# KiCad board panel.kicad_pcb (continued)
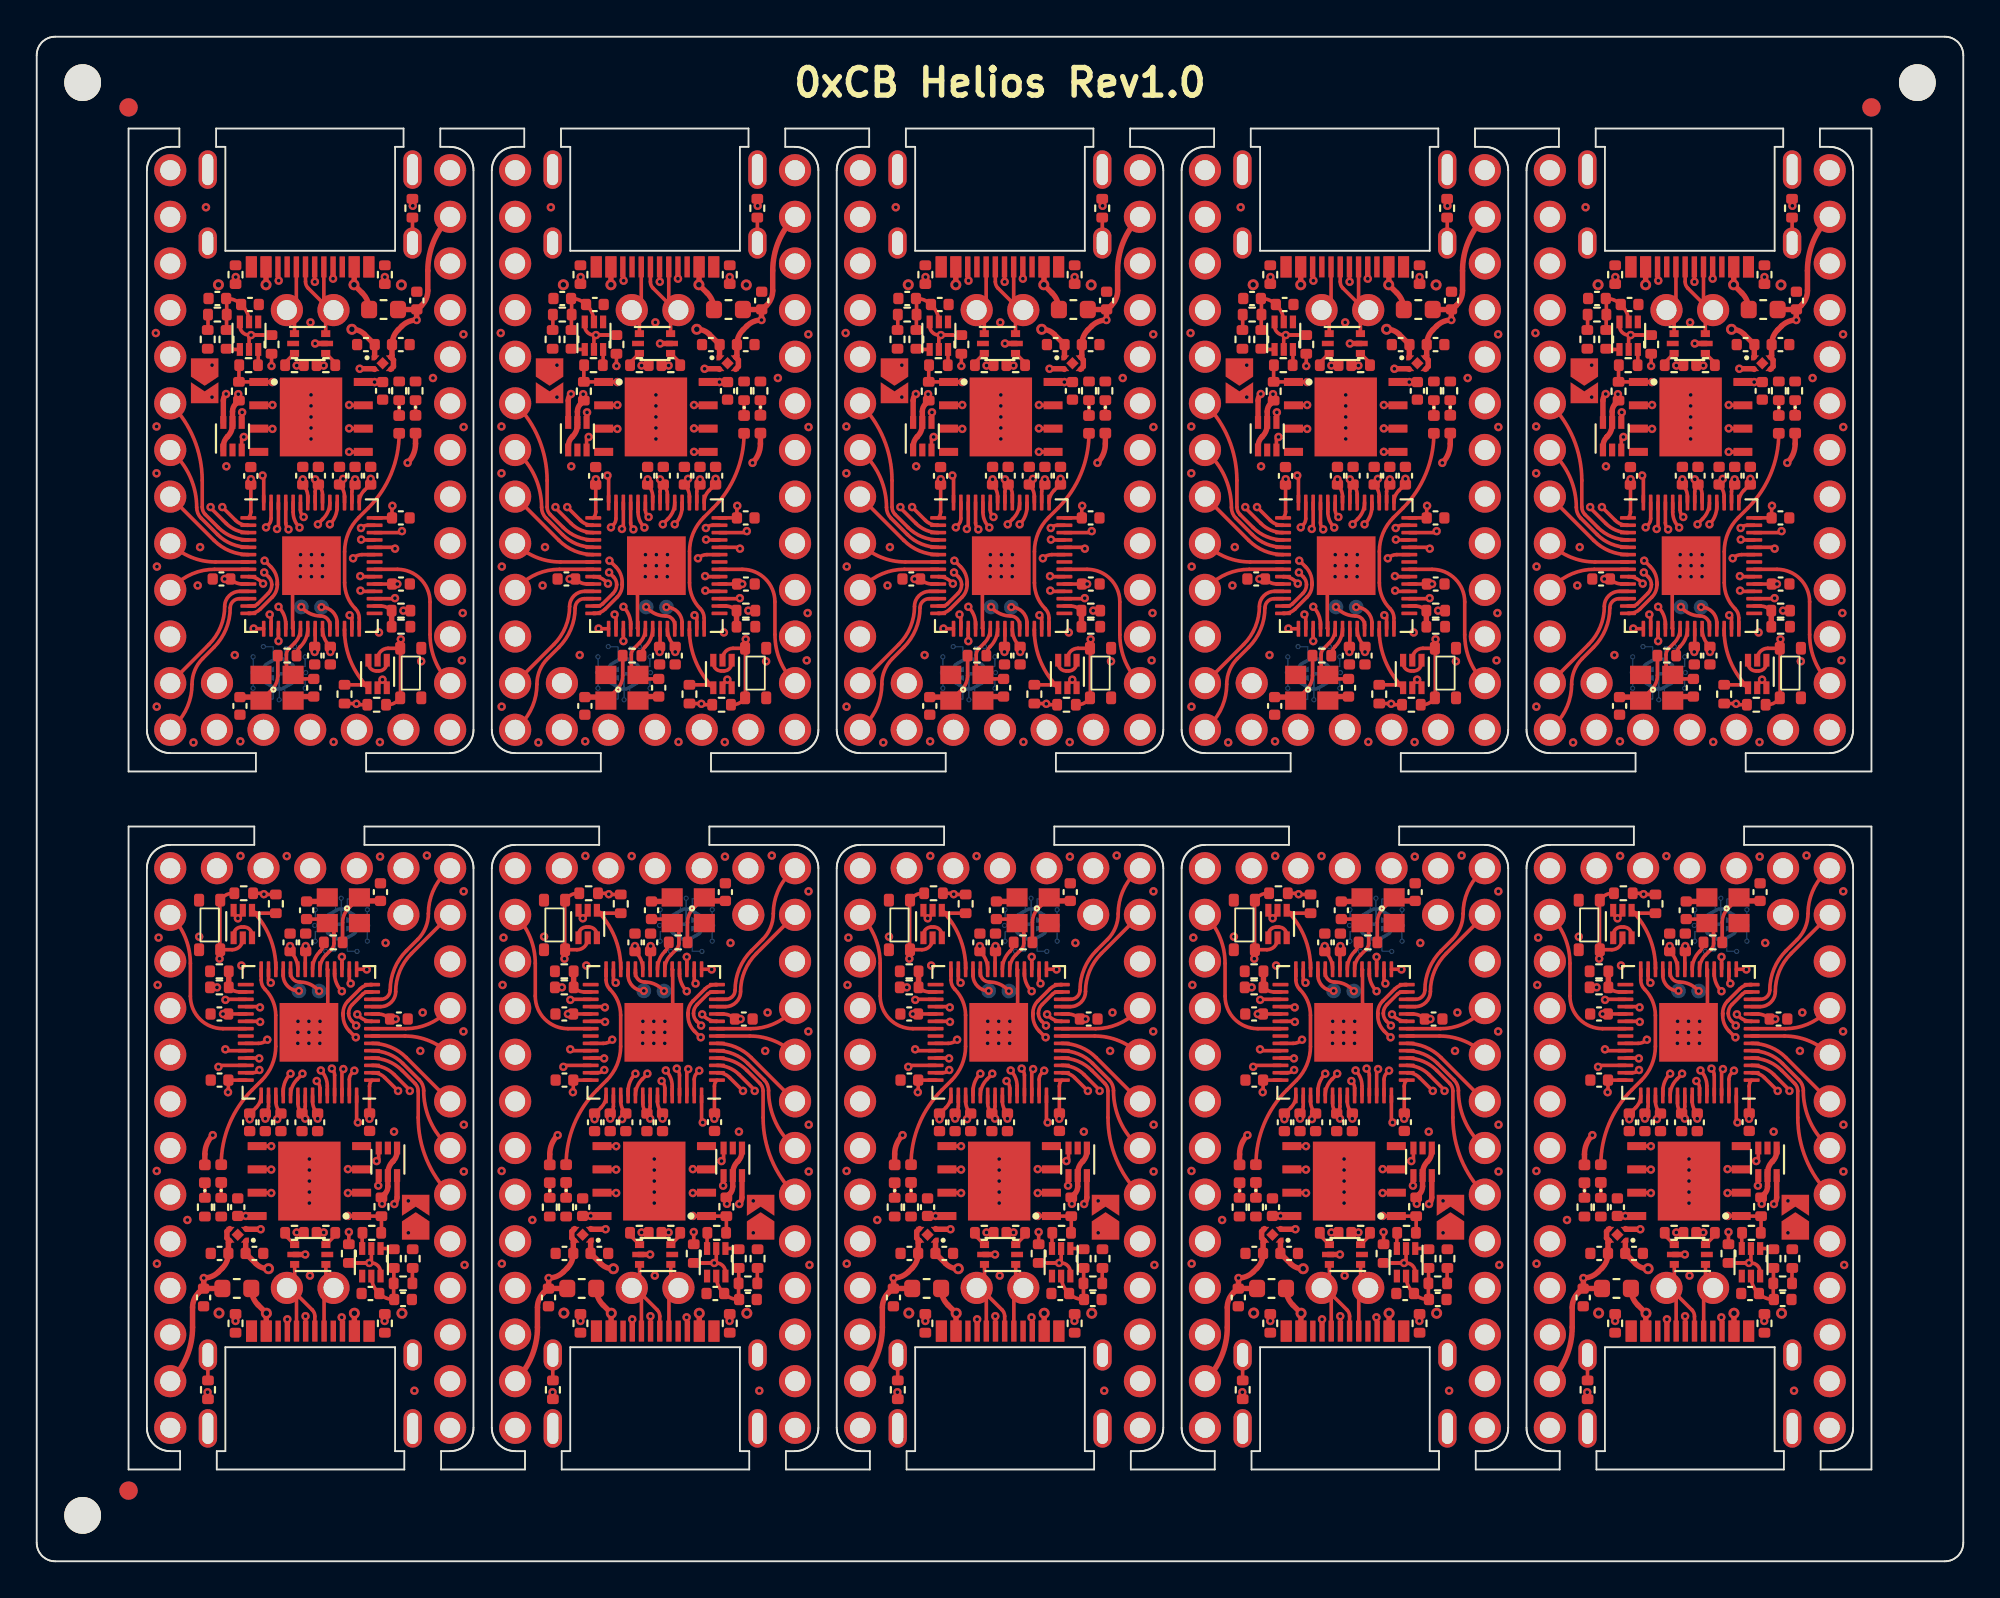
[diagram p0: board, top side]
## Placement (name value [footprint] x y rotation side) (continued)
R7#7  5k1  [R_0402_1005Metric]  67.17 12.96 90 top
R7#8  5k1  [R_0402_1005Metric]  37.73 70.08 270 top
R7#9  5k1  [R_0402_1005Metric]  56.52 70.08 270 top
R7#10  5k1  [R_0402_1005Metric]  85.94 12.96 90 top
R8  5k1  [R_0402_1005Metric]  75.3 12.96 90 top
R8#2  5k1  [R_0402_1005Metric]  94.08 12.96 90 top
R8#3  5k1  [R_0402_1005Metric]  56.52 12.96 90 top
R8#4  5k1  [R_0402_1005Metric]  85.94 70.08 270 top
R8#5  5k1  [R_0402_1005Metric]  37.73 12.96 90 top
R8#6  5k1  [R_0402_1005Metric]  10.82 70.08 270 top
R8#7  5k1  [R_0402_1005Metric]  48.38 70.08 270 top
R8#8  5k1  [R_0402_1005Metric]  18.95 12.96 90 top
R8#9  5k1  [R_0402_1005Metric]  29.6 70.08 270 top
R8#10  5k1  [R_0402_1005Metric]  67.17 70.08 270 top
R9  1K  [R_0402_1005Metric]  30.31 65.15 0 top
R9#2  1K  [R_0402_1005Metric]  18.24 17.89 180 top
R9#3  1K  [R_0402_1005Metric]  93.36 17.89 180 top
R9#4  1K  [R_0402_1005Metric]  37.02 17.89 180 top
R9#5  1K  [R_0402_1005Metric]  49.09 65.15 0 top
R9#6  1K  [R_0402_1005Metric]  11.54 65.15 0 top
R9#7  1K  [R_0402_1005Metric]  86.66 65.15 0 top
R9#8  1K  [R_0402_1005Metric]  74.58 17.89 180 top
R9#9  1K  [R_0402_1005Metric]  55.81 17.89 180 top
R9#10  1K  [R_0402_1005Metric]  67.88 65.15 0 top
R10  1k  [R_0402_1005Metric]  95.75 63.75 90 top
R10#2  1k  [R_0402_1005Metric]  46.72 19.29 270 top
R10#3  1k  [R_0402_1005Metric]  39.41 63.75 90 top
R10#4  1k  [R_0402_1005Metric]  58.19 63.75 90 top
R10#5  1k  [R_0402_1005Metric]  84.28 19.29 270 top
R10#6  1k  [R_0402_1005Metric]  9.16 19.29 270 top
R10#7  1k  [R_0402_1005Metric]  27.94 19.29 270 top
R10#8  1k  [R_0402_1005Metric]  76.97 63.75 90 top
R10#9  1k  [R_0402_1005Metric]  65.5 19.29 270 top
R10#10  1k  [R_0402_1005Metric]  20.62 63.75 90 top
R11  10k  [R_0402_1005Metric]  93.89 19.31 270 top
R11#2  10k  [R_0402_1005Metric]  11.01 63.73 90 top
R11#3  10k  [R_0402_1005Metric]  18.77 19.31 270 top
R11#4  10k  [R_0402_1005Metric]  75.11 19.31 270 top
R11#5  10k  [R_0402_1005Metric]  29.79 63.73 90 top
R11#6  10k  [R_0402_1005Metric]  56.33 19.31 270 top
R11#7  10k  [R_0402_1005Metric]  86.13 63.73 90 top
R11#8  10k  [R_0402_1005Metric]  48.57 63.73 90 top
R11#9  10k  [R_0402_1005Metric]  37.55 19.31 270 top
R11#10  10k  [R_0402_1005Metric]  67.35 63.73 90 top
R12  27R  [R_0402_1005Metric]  32.81 65.15 0 top
R12#2  27R  [R_0402_1005Metric]  34.52 17.89 180 top
R12#3  27R  [R_0402_1005Metric]  53.31 17.89 180 top
R12#4  27R  [R_0402_1005Metric]  89.16 65.15 0 top
R12#5  27R  [R_0402_1005Metric]  51.59 65.15 0 top
R12#6  27R  [R_0402_1005Metric]  14.04 65.15 0 top
R12#7  27R  [R_0402_1005Metric]  90.86 17.89 180 top
R12#8  27R  [R_0402_1005Metric]  70.38 65.15 0 top
R12#9  27R  [R_0402_1005Metric]  15.75 17.89 180 top
R12#10  27R  [R_0402_1005Metric]  72.08 17.89 180 top
R13  27R  [R_0402_1005Metric]  90.86 65.15 180 top
R13#2  27R  [R_0402_1005Metric]  89.16 17.89 0 top
R13#3  27R  [R_0402_1005Metric]  53.31 65.15 180 top
R13#4  27R  [R_0402_1005Metric]  70.38 17.89 0 top
R13#5  27R  [R_0402_1005Metric]  72.08 65.15 180 top
R13#6  27R  [R_0402_1005Metric]  32.81 17.89 0 top
R13#7  27R  [R_0402_1005Metric]  51.59 17.89 0 top
R13#8  27R  [R_0402_1005Metric]  15.75 65.15 180 top
R13#9  27R  [R_0402_1005Metric]  14.04 17.89 0 top
R13#10  27R  [R_0402_1005Metric]  34.52 65.15 180 top
R14  1k  [R_0402_1005Metric]  34.92 33.71 180 top
R14#2  1k  [R_0402_1005Metric]  16.14 33.71 180 top
R14#3  1k  [R_0402_1005Metric]  51.19 49.33 0 top
R14#4  1k  [R_0402_1005Metric]  72.48 33.71 180 top
R14#5  1k  [R_0402_1005Metric]  53.7 33.71 180 top
R14#6  1k  [R_0402_1005Metric]  13.64 49.33 0 top
R14#7  1k  [R_0402_1005Metric]  88.75 49.33 0 top
R14#8  1k  [R_0402_1005Metric]  69.97 49.33 0 top
R14#9  1k  [R_0402_1005Metric]  91.27 33.71 180 top
R14#10  1k  [R_0402_1005Metric]  32.41 49.33 0 top
R15  1k  [R_0402_1005Metric]  28.83 19.29 270 top
R15#2  1k  [R_0402_1005Metric]  66.39 19.29 270 top
R15#3  1k  [R_0402_1005Metric]  85.17 19.29 270 top
R15#4  1k  [R_0402_1005Metric]  47.6 19.29 270 top
R15#5  1k  [R_0402_1005Metric]  38.52 63.75 90 top
R15#6  1k  [R_0402_1005Metric]  94.86 63.75 90 top
R15#7  1k  [R_0402_1005Metric]  10.05 19.29 270 top
R15#8  1k  [R_0402_1005Metric]  76.08 63.75 90 top
R15#9  1k  [R_0402_1005Metric]  57.3 63.75 90 top
R15#10  1k  [R_0402_1005Metric]  19.73 63.75 90 top
R16  5k1  [R_0402_1005Metric]  66.28 31.26 0 top
R16#2  5k1  [R_0402_1005Metric]  38.62 51.78 180 top
R16#3  5k1  [R_0402_1005Metric]  9.95 31.26 0 top
R16#4  5k1  [R_0402_1005Metric]  94.95 51.78 180 top
R16#5  5k1  [R_0402_1005Metric]  76.17 51.78 180 top
R16#6  5k1  [R_0402_1005Metric]  47.51 31.26 0 top
R16#7  5k1  [R_0402_1005Metric]  28.73 31.26 0 top
R16#8  5k1  [R_0402_1005Metric]  19.84 51.78 180 top
R16#9  5k1  [R_0402_1005Metric]  57.39 51.78 180 top
R16#10  5k1  [R_0402_1005Metric]  85.06 31.26 0 top
R17  10k  [R_0402_1005Metric]  47.51 32.14 180 top
R17#2  10k  [R_0402_1005Metric]  9.95 32.14 180 top
R17#3  10k  [R_0402_1005Metric]  19.84 50.91 0 top
R17#4  10k  [R_0402_1005Metric]  85.06 32.14 180 top
R17#5  10k  [R_0402_1005Metric]  57.39 50.91 0 top
R17#6  10k  [R_0402_1005Metric]  28.73 32.14 180 top
R17#7  10k  [R_0402_1005Metric]  94.95 50.91 0 top
R17#8  10k  [R_0402_1005Metric]  76.17 50.91 0 top
R17#9  10k  [R_0402_1005Metric]  66.28 32.14 180 top
R17#10  10k  [R_0402_1005Metric]  38.62 50.91 0 top
REF**  -  [Fiducial]  5 79.19 0 top
REF**#2  -  [NPTH]  102.4 80.54 0 top
REF**#3  -  [NPTH]  2.5 80.54 0 top
REF**#4  -  [Fiducial]  5 3.85 0 top
REF**#5  -  [Fiducial]  99.9 79.19 0 top
REF**#6  -  [NPTH]  2.5 2.5 0 top
REF**#7  -  [LOGO]  89.91 49.96 180 bottom
REF**#8  -  [LOGO]  52.34 49.96 180 bottom
REF**#9  -  [LOGO]  52.56 33.08 0 bottom
REF**#10  -  [Fiducial]  5 79.19 0 bottom
REF**#11  -  [LOGO]  15 33.08 0 bottom
REF**#12  -  [LOGO]  33.56 49.96 180 bottom
REF**#13  -  [LOGO]  33.77 33.08 0 bottom
REF**#14  -  [LOGO]  71.12 49.96 180 bottom
REF**#15  -  [Fiducial]  5 3.85 0 bottom
REF**#16  -  [LOGO]  90.11 33.08 0 bottom
REF**#17  -  [LOGO]  14.79 49.96 180 bottom
REF**#18  -  [LOGO]  71.33 33.08 0 bottom
REF**#19  -  [Fiducial]  99.9 79.19 0 bottom
SW1  SWITCH  [1.9x2.8mm SW]  76.7 48.38 270 top
SW1#2  SWITCH  [1.9x2.8mm SW]  20.37 48.38 270 top
SW1#3  SWITCH  [1.9x2.8mm SW]  28.2 34.66 90 top
SW1#4  SWITCH  [1.9x2.8mm SW]  95.48 48.38 270 top
SW1#5  SWITCH  [1.9x2.8mm SW]  46.98 34.66 90 top
SW1#6  SWITCH  [1.9x2.8mm SW]  57.92 48.38 270 top
SW1#7  SWITCH  [1.9x2.8mm SW]  39.15 48.38 270 top
SW1#8  SWITCH  [1.9x2.8mm SW]  9.41 34.66 90 top
SW1#9  SWITCH  [1.9x2.8mm SW]  84.53 34.66 90 top
SW1#10  SWITCH  [1.9x2.8mm SW]  65.75 34.66 90 top
TP1  CLK  [TestPoint_Pad_D0.8mm]  33.19 51.98 180 bottom
TP1#2  CLK  [TestPoint_Pad_D0.8mm]  15.38 31.06 0 bottom
TP1#3  CLK  [TestPoint_Pad_D0.8mm]  51.97 51.98 180 bottom
TP1#4  CLK  [TestPoint_Pad_D0.8mm]  71.72 31.06 0 bottom
TP1#5  CLK  [TestPoint_Pad_D0.8mm]  89.53 51.98 180 bottom
TP1#6  CLK  [TestPoint_Pad_D0.8mm]  90.5 31.06 0 bottom
TP1#7  CLK  [TestPoint_Pad_D0.8mm]  14.41 51.98 180 bottom
TP1#8  CLK  [TestPoint_Pad_D0.8mm]  52.94 31.06 0 bottom
TP1#9  CLK  [TestPoint_Pad_D0.8mm]  70.75 51.98 180 bottom
TP1#10  CLK  [TestPoint_Pad_D0.8mm]  34.16 31.06 0 bottom
TP2  DIO  [TestPoint_Pad_D0.8mm]  51.83 31.07 0 bottom
TP2#2  DIO  [TestPoint_Pad_D0.8mm]  53.06 51.97 180 bottom
TP2#3  DIO  [TestPoint_Pad_D0.8mm]  70.61 31.07 0 bottom
TP2#4  DIO  [TestPoint_Pad_D0.8mm]  15.5 51.97 180 bottom
TP2#5  DIO  [TestPoint_Pad_D0.8mm]  71.84 51.97 180 bottom
TP2#6  DIO  [TestPoint_Pad_D0.8mm]  33.05 31.07 0 bottom
TP2#7  DIO  [TestPoint_Pad_D0.8mm]  14.27 31.07 0 bottom
TP2#8  DIO  [TestPoint_Pad_D0.8mm]  90.62 51.97 180 bottom
TP2#9  DIO  [TestPoint_Pad_D0.8mm]  89.39 31.07 0 bottom
TP2#10  DIO  [TestPoint_Pad_D0.8mm]  34.28 51.97 180 bottom
U1  USBLC6-2P6  [SOT-666]  90.02 16.71 180 top
U1#2  USBLC6-2P6  [SOT-666]  52.44 66.33 0 top
U1#3  USBLC6-2P6  [SOT-666]  14.89 16.71 180 top
U1#4  USBLC6-2P6  [SOT-666]  71.22 66.33 0 top
U1#5  USBLC6-2P6  [SOT-666]  33.66 66.33 0 top
U1#6  USBLC6-2P6  [SOT-666]  52.45 16.71 180 top
U1#7  USBLC6-2P6  [SOT-666]  90 66.33 0 top
U1#8  USBLC6-2P6  [SOT-666]  14.89 66.33 0 top
U1#9  USBLC6-2P6  [SOT-666]  71.23 16.71 180 top
U1#10  USBLC6-2P6  [SOT-666]  33.67 16.71 180 top
U2  LP5907SNX-3.3-NOPB  [X2SON-4]  29.73 17.79 180 top
U2#2  LP5907SNX-3.3-NOPB  [X2SON-4]  18.84 65.26 0 top
U2#3  LP5907SNX-3.3-NOPB  [X2SON-4]  86.06 17.79 180 top
U2#4  LP5907SNX-3.3-NOPB  [X2SON-4]  48.51 17.79 180 top
U2#5  LP5907SNX-3.3-NOPB  [X2SON-4]  75.17 65.26 0 top
U2#6  LP5907SNX-3.3-NOPB  [X2SON-4]  10.95 17.79 180 top
U2#7  LP5907SNX-3.3-NOPB  [X2SON-4]  37.62 65.26 0 top
U2#8  LP5907SNX-3.3-NOPB  [X2SON-4]  56.39 65.26 0 top
U2#9  LP5907SNX-3.3-NOPB  [X2SON-4]  93.95 65.26 0 top
U2#10  LP5907SNX-3.3-NOPB  [X2SON-4]  67.28 17.79 180 top
U3  -  [W25Q128JVPIQ]  89.97 20.71 180 top
U3#2  -  [W25Q128JVPIQ]  71.28 62.33 0 top
U3#3  -  [W25Q128JVPIQ]  33.62 20.71 180 top
U3#4  -  [W25Q128JVPIQ]  71.19 20.71 180 top
U3#5  -  [W25Q128JVPIQ]  14.93 62.33 0 top
U3#6  -  [W25Q128JVPIQ]  52.5 62.33 0 top
U3#7  -  [W25Q128JVPIQ]  33.72 62.33 0 top
U3#8  -  [W25Q128JVPIQ]  14.84 20.71 180 top
U3#9  -  [W25Q128JVPIQ]  90.06 62.33 0 top
U3#10  -  [W25Q128JVPIQ]  52.41 20.71 180 top
U4  RP2040  [QFN-56-1EP_7x7mm_P0.4mm_EP3.2x3.2mm]  90.08 54.23 0 top
U4#2  RP2040  [QFN-56-1EP_7x7mm_P0.4mm_EP3.2x3.2mm]  89.94 28.81 180 top
U4#3  RP2040  [QFN-56-1EP_7x7mm_P0.4mm_EP3.2x3.2mm]  52.38 28.81 180 top
U4#4  RP2040  [QFN-56-1EP_7x7mm_P0.4mm_EP3.2x3.2mm]  71.16 28.81 180 top
U4#5  RP2040  [QFN-56-1EP_7x7mm_P0.4mm_EP3.2x3.2mm]  14.82 28.81 180 top
U4#6  RP2040  [QFN-56-1EP_7x7mm_P0.4mm_EP3.2x3.2mm]  52.52 54.23 0 top
U4#7  RP2040  [QFN-56-1EP_7x7mm_P0.4mm_EP3.2x3.2mm]  14.96 54.23 0 top
U4#8  RP2040  [QFN-56-1EP_7x7mm_P0.4mm_EP3.2x3.2mm]  71.3 54.23 0 top
U4#9  RP2040  [QFN-56-1EP_7x7mm_P0.4mm_EP3.2x3.2mm]  33.74 54.23 0 top
U4#10  RP2040  [QFN-56-1EP_7x7mm_P0.4mm_EP3.2x3.2mm]  33.6 28.81 180 top
U5  74LVC1T45  [SOT-563]  10.66 61.28 90 top
U5#2  74LVC1T45  [SOT-563]  75.46 21.76 270 top
U5#3  74LVC1T45  [SOT-563]  67 61.28 90 top
U5#4  74LVC1T45  [SOT-563]  19.12 21.76 270 top
U5#5  74LVC1T45  [SOT-563]  56.68 21.76 270 top
U5#6  74LVC1T45  [SOT-563]  85.78 61.28 90 top
U5#7  74LVC1T45  [SOT-563]  94.24 21.76 270 top
U5#8  74LVC1T45  [SOT-563]  48.22 61.28 90 top
U5#9  74LVC1T45  [SOT-563]  29.44 61.28 90 top
U5#10  74LVC1T45  [SOT-563]  37.9 21.76 270 top
Y1  12MHz  [Crystal_SMD_2520-4Pin_2.5x2.0mm]  31.87 47.58 0 top
Y1#2  12MHz  [Crystal_SMD_2520-4Pin_2.5x2.0mm]  13.09 47.58 0 top
Y1#3  12MHz  [Crystal_SMD_2520-4Pin_2.5x2.0mm]  88.2 47.58 0 top
Y1#4  12MHz  [Crystal_SMD_2520-4Pin_2.5x2.0mm]  35.48 35.46 180 top
Y1#5  12MHz  [Crystal_SMD_2520-4Pin_2.5x2.0mm]  73.03 35.46 180 top
Y1#6  12MHz  [Crystal_SMD_2520-4Pin_2.5x2.0mm]  69.42 47.58 0 top
Y1#7  12MHz  [Crystal_SMD_2520-4Pin_2.5x2.0mm]  54.25 35.46 180 top
Y1#8  12MHz  [Crystal_SMD_2520-4Pin_2.5x2.0mm]  91.81 35.46 180 top
Y1#9  12MHz  [Crystal_SMD_2520-4Pin_2.5x2.0mm]  16.7 35.46 180 top
Y1#10  12MHz  [Crystal_SMD_2520-4Pin_2.5x2.0mm]  50.64 47.58 0 top

## Library data of the parts
C1 C1#2-C1#10 = -: JLC Basic: Y; LCSC: C23733; MPN : CL05A475MP5NRNC; Manufacturer: Samsung Electro-Mechanics; Substitute: Y
C2 C2#2-C2#10 C3 C3#2-C3#10 C4 C4#2-C4#10 C5 C5#2-C5#10 = -: JLC Basic: Y; LCSC: C15525; MPN : CL05A106MQ5NUNC; Manufacturer: Samsung Electro-Mechanics; Substitute: Y
C6 C6#2-C6#10 C11 C11#2-C11#10 C12 C12#2-C12#10 C13 C13#2-C13#10 C14 C14#2-C14#10 C15 C15#2-C15#10 C16 C16#2-C16#10 C17 C17#2-C17#10 C18 C18#2-C18#10 C19 C19#2-C19#10 = -: JLC Basic: Y; LCSC: C1525; MPN : CL05B104KO5NNNC; Manufacturer: Samsung Electro-Mechanics; Substitute: Y
C7 C7#2-C7#10 C8 C8#2-C8#10 = -: JLC Basic: Y; LCSC: C1548; MPN : 0402CG150J500NT; Manufacturer: FH(Guangdong Fenghua Advanced Tech); Substitute: Y
C9 C9#2-C9#10 C10 C10#2-C10#10 = -: JLC Basic: Y; LCSC: C52923; MPN : CL05A105KA5NQNC; Manufacturer: Samsung Electro-Mechanics; Substitute: Y
D1 D1#2-D1#10 = -: JLC Basic: N; LCSC: C130719; MPN : NCD0402R1; Manufacturer: Foshan-NationStar-Optoelectronics; Substitute: Y
D2 D2#2-D2#10 = -: JLC Basic: N; LCSC: C130724; MPN : NCD0402B1; Manufacturer: Foshan-NationStar-Optoelectronics; Substitute: Y
F1 F1#2-F1#10 = -: JLC Basic: N; LCSC: C210357; MPN : MF-FSMF050X-2; Manufacturer: BOURNS; Substitute: Y
FB1 FB1#2-FB1#10 = -: JLC Basic: N; LCSC: C160977; MPN : BLM15PX601SN1D; Manufacturer: Murata Electronics; Substitute: Y
J1 J1#2-J1#10 = -: JLC Basic: N; LCSC: C963373; MPN : GT-USB-7014C; Manufacturer: G-Switch; Substitute: N
J2 = -: Field4: E6; Field5: RST; Field6: B3; Field7: F1; Field8: B4; Field9: B0; Field10: VCC; Field11: D+; Field12: D6; Field13: D3; Field14: D-; Field15: D1; Field16: E0; Field17: D4; Field18: C7; Field19: F4; Field20: B7; Field21: D5; Field22: D7; Field23: GND; Field24: F6; Field25: B5; Field26: F0; Field27: B2; Field28: F5; Field29: B6; Field30: VBUS; Field31: F7; Field32: C6; Field33: D0; Field34: D2; Field35: B1
J2#2 = -: Field4: D2; Field5: D-; Field6: D+; Field7: F7; Field8: B6; Field9: D5; Field10: VBUS; Field11: F6; Field12: E6; Field13: F0; Field14: F1; Field15: D6; Field16: B7; Field17: VCC; Field18: GND; Field19: B1; Field20: C7; Field21: B3; Field22: D1; Field23: E0; Field24: B2; Field25: F4; Field26: F5; Field27: D0; Field28: D3; Field29: B5; Field30: B4; Field31: D7; Field32: B0; Field33: D4; Field34: C6; Field35: RST
J2#3 = -: Field4: D+; Field5: VCC; Field6: B7; Field7: GND; Field8: D0; Field9: D4; Field10: C7; Field11: F0; Field12: D3; Field13: B5; Field14: F7; Field15: F5; Field16: D7; Field17: C6; Field18: D2; Field19: B1; Field20: B0; Field21: VBUS; Field22: F4; Field23: RST; Field24: E6; Field25: D-; Field26: B6; Field27: D6; Field28: D1; Field29: B4; Field30: F1; Field31: B3; Field32: B2; Field33: E0; Field34: F6; Field35: D5
J2#4 = -: Field4: F4; Field5: B7; Field6: E6; Field7: F7; Field8: B2; Field9: F0; Field10: C7; Field11: RST; Field12: B5; Field13: D1; Field14: D7; Field15: B3; Field16: D2; Field17: B0; Field18: D3; Field19: E0; Field20: D5; Field21: F5; Field22: B1; Field23: VBUS; Field24: B4; Field25: D6; Field26: C6; Field27: VCC; Field28: F6; Field29: D0; Field30: D-; Field31: GND; Field32: D+; Field33: F1; Field34: D4; Field35: B6
J2#5 = -: Field4: B2; Field5: B5; Field6: D4; Field7: E6; Field8: B7; Field9: B4; Field10: B1; Field11: C7; Field12: C6; Field13: F0; Field14: D1; Field15: F6; Field16: GND; Field17: D3; Field18: VBUS; Field19: F1; Field20: F7; Field21: D0; Field22: VCC; Field23: D-; Field24: E0; Field25: D+; Field26: D5; Field27: F5; Field28: D2; Field29: B6; Field30: F4; Field31: B0; Field32: D6; Field33: D7; Field34: RST; Field35: B3
J2#6 = -: Field4: B3; Field5: B5; Field6: F7; Field7: C7; Field8: B6; Field9: B4; Field10: B0; Field11: D6; Field12: F1; Field13: B2; Field14: D4; Field15: F4; Field16: VBUS; Field17: B1; Field18: VCC; Field19: E0; Field20: E6; Field21: D7; Field22: GND; Field23: D-; Field24: D3; Field25: RST; Field26: C6; Field27: D1; Field28: D5; Field29: F0; Field30: F5; Field31: B7; Field32: F6; Field33: D2; Field34: D0; Field35: D+
J2#7 = -: Field4: D1; Field5: D0; Field6: F7; Field7: F4; Field8: F1; Field9: D3; Field10: VCC; Field11: F6; Field12: E6; Field13: B0; Field14: D-; Field15: D7; Field16: VBUS; Field17: GND; Field18: B7; Field19: RST; Field20: C7; Field21: F5; Field22: B6; Field23: B5; Field24: B4; Field25: B3; Field26: B2; Field27: E0; Field28: D+; Field29: F0; Field30: D5; Field31: D2; Field32: B1; Field33: C6; Field34: D4; Field35: D6
J2#8 = -: Field4: F6; Field5: D+; Field6: B5; Field7: B3; Field8: D7; Field9: D6; Field10: D3; Field11: D5; Field12: F0; Field13: D2; Field14: E0; Field15: F7; Field16: F4; Field17: B7; Field18: D0; Field19: B0; Field20: GND; Field21: VBUS; Field22: B2; Field23: C6; Field24: C7; Field25: B6; Field26: F1; Field27: E6; Field28: F5; Field29: B4; Field30: VCC; Field31: B1; Field32: RST; Field33: D-; Field34: D4; Field35: D1
J2#9 = -: Field4: RST; Field5: D-; Field6: B0; Field7: F0; Field8: C6; Field9: D3; Field10: D7; Field11: D2; Field12: F5; Field13: D1; Field14: B1; Field15: VCC; Field16: F1; Field17: E6; Field18: B7; Field19: B2; Field20: F4; Field21: B4; Field22: D+; Field23: GND; Field24: D5; Field25: E0; Field26: B3; Field27: F6; Field28: D0; Field29: VBUS; Field30: C7; Field31: F7; Field32: B5; Field33: D4; Field34: D6; Field35: B6
J2#10 = -: Field4: C7; Field5: VCC; Field6: B7; Field7: D1; Field8: D2; Field9: F1; Field10: B0; Field11: F5; Field12: E6; Field13: B2; Field14: F4; Field15: D+; Field16: D-; Field17: F7; Field18: B4; Field19: C6; Field20: D3; Field21: E0; Field22: VBUS; Field23: F6; Field24: D7; Field25: B3; Field26: B5; Field27: D4; Field28: D5; Field29: D6; Field30: B1; Field31: F0; Field32: GND; Field33: D0; Field34: RST; Field35: B6
Q1 Q1#2-Q1#10 Q2 Q2#2-Q2#10 = -: JLC Basic: N; LCSC: C504145; MPN : 2N7002V; Manufacturer: Diodes Incorporated; Substitute: Y
R1 R1#2-R1#10 R2 R2#2-R2#10 R3 R3#2-R3#10 R11 R11#2-R11#10 R17 R17#2-R17#10 = -: JLC Basic: Y; LCSC: C25744; MPN : 0402WGF1002TCE; Manufacturer: UNI-ROYAL(Uniroyal Elec); Substitute: Y
R4 R4#2-R4#10 R5 R5#2-R5#10 R6 R6#2-R6#10 = -: JLC Basic: Y; LCSC: C25794; MPN : 0402WGF5102TCE; Manufacturer: UNI-ROYAL(Uniroyal Elec); Substitute: Y
R7 R7#2-R7#10 R8 R8#2-R8#10 R16 R16#2-R16#10 = -: JLC Basic: Y; LCSC: C25905; MPN : 0402WGF5101TCE; Manufacturer: UNI-ROYAL(Uniroyal Elec); Substitute: Y
R9 R9#2-R9#10 R10 R10#2-R10#10 R14 R14#2-R14#10 R15 R15#2-R15#10 = -: JLC Basic: Y; LCSC: C11702; MPN : 0402WGF1001TCE; Manufacturer: UNI-ROYAL(Uniroyal Elec); Substitute: Y
R12 R12#2-R12#10 R13 R13#2-R13#10 = -: JLC Basic: N; LCSC: C25100; MPN : 0402WGF270JTCE; Manufacturer: UNI-ROYAL(Uniroyal Elec); Substitute: Y
SW1 SW1#2-SW1#10 = -: JLC Basic: N; LCSC: C589221; MPN : ST-1194; Manufacturer: RI SHENG; Substitute: N
U1 U1#2-U1#10 = -: JLC Basic: N; LCSC: C2827693; Manufacturer: TECH PUBLIC; Substitute: N
U2 U2#2-U2#10 = -: JLC Basic: N; LCSC: C133572; Manufacturer: Texas Instruments; Substitute: N
U3 U3#2-U3#10 = -: JLC Basic: N; LCSC: C190862; Manufacturer: Winbond; Substitute: N
U4 U4#2-U4#10 = -: JLC Basic: N; LCSC: C2040; Manufacturer: Raspberry Pi; Substitute: N
U5 U5#2-U5#10 = -: JLC Basic: N; LCSC: C352970; MPN : SN74LVC1T45DRLR; Manufacturer: Texas Instruments; Substitute: N
Y1 Y1#2-Y1#10 = -: JLC Basic: N; LCSC: C2149204; MPN : 2TJ412000HYGBC; Manufacturer: JYJE; Substitute: N

## Footprints (pads in the part's own frame, mm; a bottom-side part is the same pattern mirrored in y, then rotated)
1.9x2.8mm SW
  rrect 0.7x0.55 smd: 1(-1.35,0.575) 1(1.35,0.575) 2(-1.35,-0.575) 2(1.35,-0.575)
C_0402_1005Metric
  rrect 0.56x0.62 smd: 1(-0.48,0) 2(0.48,0)
Crystal_SMD_2520-4Pin_2.5x2.0mm
  rect 1.15x1 smd: 1(-0.875,-0.7) 2(0.875,-0.7) 3(0.875,0.7) 4(-0.875,0.7)
D_0402_1005Metric
  rrect 0.59x0.64 smd: 1(-0.485,0) 2(0.485,0)
Fiducial
  round 1 smd: (0,0)
Fuse_0603_1608Metric
  rrect 0.875x0.95 smd: 1(-0.787,0) 2(0.787,0)
GT-USB-7014C
  rect 0.6x1.15 smd: A1(-3.2,7.4) A4(-2.4,7.4) A9(2.4,7.4) A12(3.2,7.4) B1(3.2,7.4) B4(2.4,7.4) B9(-2.4,7.4) B12(-3.2,7.4)
  rect 0.3x1.15 smd: A5(-1.25,7.4) A6(-0.25,7.4) A7(0.25,7.4) A8(1.25,7.4) B5(1.75,7.4) B6(0.75,7.4) B7(-0.75,7.4) B8(-1.75,7.4)
  oval 1x1.7 hole 0.6x1.3: S1(-5.575,6.1) S2(5.575,6.1)
  oval 1x2.1 hole 0.6x1.7: S3(5.575,2.1) S4(-5.575,2.1)
helios
  round 1.753 hole 1.092: 1(-7.62,16.51) 2(-7.62,13.97) 3(-7.62,11.43) 4(-7.62,8.89) 5(-7.62,6.35) 6(-7.62,3.81) 7(-7.62,1.27) 8(-7.62,-1.27) 9(-7.62,-3.81) 10(-7.62,-6.35) 11(-7.62,-8.89) 12(-7.62,-11.43) 13(-7.62,-13.97) 14(-5.08,-13.97) 15(-2.54,-13.97) 16(0,-13.97) 17(2.54,-13.97) 18(5.08,-13.97) 19(7.62,-13.97) 20(7.62,-11.43) 21(7.62,-8.89) 22(7.62,-6.35) 23(7.62,-3.81) 24(7.62,-1.27) 25(7.62,1.27) 26(7.62,3.81) 27(7.62,6.35) 28(7.62,8.89) 29(7.62,11.43) 30(7.62,13.97) 31(7.62,16.51) 32(-5.075,-11.43) 33(1.27,8.89) 34(-1.27,8.89)
NPTH
  round 2 hole 2 unplated: (0,0)
QFN-56-1EP_7x7mm_P0.4mm_EP3.2x3.2mm
  rrect 1.29x1.29 smd: (-0.8,0.8) (-0.8,-0.8) (0.8,0.8) (0.8,-0.8)
  rrect 0.875x0.2 smd: 1(-3.438,2.6) 2(-3.438,2.2) 3(-3.438,1.8) 4(-3.438,1.4) 5(-3.438,1) 6(-3.438,0.6) 7(-3.438,0.2) 8(-3.438,-0.2) 9(-3.438,-0.6) 10(-3.438,-1) 11(-3.438,-1.4) 12(-3.438,-1.8) 13(-3.438,-2.2) 14(-3.438,-2.6) 29(3.438,-2.6) 30(3.438,-2.2) 31(3.438,-1.8) 32(3.438,-1.4) 33(3.438,-1) 34(3.438,-0.6) 35(3.438,-0.2) 36(3.438,0.2) 37(3.438,0.6) 38(3.438,1) 39(3.438,1.4) 40(3.438,1.8) 41(3.438,2.2) 42(3.438,2.6)
  rrect 0.2x0.875 smd: 15(-2.6,-3.438) 16(-2.2,-3.438) 17(-1.8,-3.438) 18(-1.4,-3.438) 19(-1,-3.438) 20(-0.6,-3.438) 21(-0.2,-3.438) 22(0.2,-3.438) 23(0.6,-3.438) 24(1,-3.438) 25(1.4,-3.438) 26(1.8,-3.438) 27(2.2,-3.438) 28(2.6,-3.438) 43(2.6,3.438) 44(2.2,3.438) 45(1.8,3.438) 46(1.4,3.438) 47(1,3.438) 48(0.6,3.438) 49(0.2,3.438) 50(-0.2,3.438) 51(-0.6,3.438) 52(-1,3.438) 53(-1.4,3.438) 54(-1.8,3.438) 55(-2.2,3.438) 56(-2.6,3.438)
  rect 3.2x3.2 smd: 57(0,0)
R_0402_1005Metric
  rrect 0.54x0.64 smd: 1(-0.51,0) 2(0.51,0)
SolderJumper-2_P1.3mm_Open_TrianglePad1.0x1.5mm
  custom 1.5x1.5 smd: 1(-0.725,0)
  custom 1.15x1.5 smd: 2(0.725,0)
SOT-563
  rect 0.7x0.34 smd: 1(-0.75,0.5) 2(-0.75,0) 3(-0.75,-0.5) 4(0.75,-0.5) 5(0.75,0) 6(0.75,0.5)
SOT-666
  rect 0.5x0.375 smd: 1(-0.85,0.537) 3(-0.85,-0.537) 4(0.85,-0.537) 6(0.85,0.537)
  rect 0.65x0.3 smd: 2(-0.925,0) 5(0.925,0)
TestPoint_Pad_D0.8mm
  round 0.8 smd: 1(0,0)
W25Q128JVPIQ
  rrect 1.04x0.44 smd: 1(-2.845,1.905) 2(-2.845,0.635) 3(-2.845,-0.635) 4(-2.845,-1.905) 5(2.845,-1.905) 6(2.845,-0.635) 7(2.845,0.635) 8(2.845,1.905)
  rect 3.4x4.3 smd: 9(0,0)
X2SON-4
  custom 0.425x0.28 smd: 1(-0.435,0.335) 2(-0.435,-0.335) 3(0.435,-0.335) 4(0.435,0.335)
  rect 0.48x0.48 smd rot 135: 5(0,0)

## Nets
Board_0-/VBUS_DETECT: R16#8.2 R17#3.1 U4#7.30
Board_1-/VBUS_DETECT: R16#2.2 R17#10.1 U4#9.30
Board_2-/VBUS_DETECT: R16#9.2 R17#5.1 U4#6.30
Board_3-/VBUS_DETECT: R16#5.2 R17#8.1 U4#8.30
Board_4-/VBUS_DETECT: R16#4.2 R17#7.1 U4.30
Board_5-/VBUS_DETECT: R16#3.2 R17#2.1 U4#5.30
Board_6-/VBUS_DETECT: R16#7.2 R17#6.1 U4#10.30
Board_7-/VBUS_DETECT: R16#6.2 R17.1 U4#3.30
Board_8-/VBUS_DETECT: R16.2 R17#9.1 U4#4.30
Board_9-/VBUS_DETECT: R16#10.2 R17#4.1 U4#2.30
Board_0-+1V1: C10#7.2 C17.1 C19#4.1 U4#7.23 U4#7.45 U4#7.50
Board_0-+3V3: C5#6.1 C6#8.1 C9#5.2 C11#4.1 C12#9.1 C13#2.1 C14.1 C15#8.1 C16#7.1 C18#6.1 J2#6.27 JP1#7.1 R1#10.1 R2.1 R3#6.1 R11#2.1 U2#2.1 U3#5.8 U4#7.1 U4#7.10 U4#7.22 U4#7.33 U4#7.42 U4#7.43 U4#7.44 U4#7.48 U4#7.49 U5.1 U5.5
Board_0-+5V: C3#3.1 C4#7.1 F1#4.2 J2#6.30 U1#8.5 U2#2.3 U2#2.4 U5.6
Board_0-/0_TX0: J2#6.2 U4#7.2
Board_0-/1_RX0: J2#6.3 U4#7.3
Board_0-/2_SDA1: J2#6.6 U4#7.4
Board_0-/3_SCL1: J2#6.7 U4#7.5
Board_0-/4: J2#6.8 U4#7.6
Board_0-/5: J2#6.9 U4#7.7
Board_0-/6: J2#6.10 U4#7.8
Board_0-/7: J2#6.11 U4#7.9
Board_0-/8: J2#6.12 U4#7.11
Board_0-/9: J2#6.13 U4#7.12
Board_0-/10: J2#6.1 U4#7.13
Board_0-/11: J2#6.31 U4#7.14
Board_0-/12: J2#6.14 U4#7.15
Board_0-/13: J2#6.15 U4#7.16
Board_0-/14: J2#6.16 U4#7.17
Board_0-/15: J2#6.17 U4#7.18
Board_0-/16: J2#6.18 U4#7.27
Board_0-/20_SDI: J2#6.21 U4#7.31
Board_0-/21_CS: J2#6.19 U4#7.32
Board_0-/22_SCK: J2#6.22 U4#7.34
Board_0-/23_SDO: J2#6.20 U4#7.35
Board_0-/A0: J2#6.23 U4#7.38
Board_0-/A1: J2#6.24 U4#7.39
Board_0-/A2: J2#6.25 U4#7.40
Board_0-/A3: J2#6.26 U4#7.41
Board_0-/BOOT: Q2#2.3 R9#6.2
Board_0-/D+: R12#6.2 U4#7.47
Board_0-/D-: R13#8.2 U4#7.46
Board_0-/LED: D2#2.2 U4#7.28
Board_0-/PORT+: J1#5.A6 J1#5.B6 J2#6.34 U1#8.1
Board_0-/PORT-: J1#5.A7 J1#5.B7 J2#6.33 U1#8.6
Board_0-/QSPI_CLK: U3#5.6 U4#7.52
Board_0-/QSPI_CS: R9#6.1 R11#2.2 U3#5.1 U4#7.56
Board_0-/QSPI_SD0: U3#5.5 U4#7.53
Board_0-/QSPI_SD1: U3#5.2 U4#7.55
Board_0-/QSPI_SD2: U3#5.3 U4#7.54
Board_0-/QSPI_SD3: U3#5.7 U4#7.51
Board_0-/RESET: J2#6.28 Q1.2 R1#10.2 SW1#2.2
Board_0-/RGB_5V: J2#6.32 U5.4
Board_0-/RGB_DO: U4#7.37 U5.3
Board_0-/RST: Q1.4 R3#6.2 U4#7.26
Board_0-/SWD_CLK: TP1#7.1 U4#7.24
Board_0-/SWD_IO: TP2#4.1 U4#7.25
Board_0-/USB+: R12#6.1 U1#8.3
Board_0-/USB-: R13#8.1 U1#8.4
Board_0-GND: C1#4.2 C2#5.2 C3#3.2 C4#7.2 C5#6.2 C6#8.2 C7.1 C8#7.1 C9#5.1 C10#7.1 C11#4.2 C12#9.2 C13#2.2 C14.2 C15#8.2 C16#7.2 C17.2 C18#6.2 C19#4.2 FB1#3.2 J1#5.A1 J1#5.A12 J1#5.B1 J1#5.B12 J2#6.4 J2#6.5 J2#6.29 Q1.1 Q1.3 Q2#2.4 R6#5.2 R7#4.1 R8#6.1 R10#10.2 R15#10.2 R17#3.2 SW1#2.1 U1#8.2 U2#2.2 U3#5.4 U3#5.9 U4#7.19 U4#7.57 U5.2 Y1#2.2 Y1#2.4
Board_0-Net-(C1-Pad1): C1#4.1 C2#5.1 Q2#2.5 R4#3.2 R5.1
Board_0-Net-(C7-Pad2): C7.2 U4#7.20 Y1#2.3
Board_0-Net-(C8-Pad2): C8#7.2 R14#6.1 Y1#2.1
Board_0-Net-(D1-Pad1): D1#5.1 R10#10.1
Board_0-Net-(D1-Pad2): D1#5.2 JP1#7.2
Board_0-Net-(D2-Pad1): D2#2.1 R15#10.1
Board_0-Net-(FB1-Pad1): FB1#3.1 J1#5.S1
Board_0-Net-(J1-PadA5): J1#5.A5 R7#4.2
Board_0-Net-(J1-PadB5): J1#5.B5 R8#6.2
Board_0-Net-(Q1-Pad5): Q1.5 Q1.6 Q2#2.2 Q2#2.6 R2.2
Board_0-Net-(Q2-Pad1): Q2#2.1 R4#3.1
Board_0-Net-(R5-Pad2): R5.2 R6#5.1
Board_0-Net-(R14-Pad2): R14#6.2 U4#7.21
Board_0-unconnected-(J1-PadA8): J1#5.A8
Board_0-unconnected-(J1-PadB8): J1#5.B8
Board_0-unconnected-(U2-Pad5): U2#2.5
Board_0-unconnected-(U4-Pad29): U4#7.29
Board_0-unconnected-(U4-Pad36): U4#7.36
Board_0-VBUS: F1#4.1 J1#5.A4 J1#5.A9 J1#5.B4 J1#5.B9 R16#8.1
Board_1-+1V1: C10#10.2 C17#6.1 C19#5.1 U4#9.23 U4#9.45 U4#9.50
Board_1-+3V3: C5#5.1 C6#9.1 C9#10.2 C11#3.1 C12#2.1 C13#4.1 C14#7.1 C15.1 C16.1 C18#7.1 J2#9.27 JP1#10.1 R1#8.1 R2#8.1 R3#9.1 R11#5.1 U2#7.1 U3#7.8 U4#9.1 U4#9.10 U4#9.22 U4#9.33 U4#9.42 U4#9.43 U4#9.44 U4#9.48 U4#9.49 U5#9.1 U5#9.5
Board_1-+5V: C3#4.1 C4#10.1 F1#2.2 J2#9.30 U1#5.5 U2#7.3 U2#7.4 U5#9.6
Board_1-/0_TX0: J2#9.2 U4#9.2
Board_1-/1_RX0: J2#9.3 U4#9.3
Board_1-/2_SDA1: J2#9.6 U4#9.4
Board_1-/3_SCL1: J2#9.7 U4#9.5
Board_1-/4: J2#9.8 U4#9.6
Board_1-/5: J2#9.9 U4#9.7
Board_1-/6: J2#9.10 U4#9.8
Board_1-/7: J2#9.11 U4#9.9
Board_1-/8: J2#9.12 U4#9.11
Board_1-/9: J2#9.13 U4#9.12
Board_1-/10: J2#9.1 U4#9.13
Board_1-/11: J2#9.31 U4#9.14
Board_1-/12: J2#9.14 U4#9.15
Board_1-/13: J2#9.15 U4#9.16
Board_1-/14: J2#9.16 U4#9.17
Board_1-/15: J2#9.17 U4#9.18
Board_1-/16: J2#9.18 U4#9.27
Board_1-/20_SDI: J2#9.21 U4#9.31
Board_1-/21_CS: J2#9.19 U4#9.32
Board_1-/22_SCK: J2#9.22 U4#9.34
Board_1-/23_SDO: J2#9.20 U4#9.35
Board_1-/A0: J2#9.23 U4#9.38
Board_1-/A1: J2#9.24 U4#9.39
Board_1-/A2: J2#9.25 U4#9.40
Board_1-/A3: J2#9.26 U4#9.41
Board_1-/BOOT: Q2#10.3 R9.2
Board_1-/D+: R12.2 U4#9.47
Board_1-/D-: R13#10.2 U4#9.46
Board_1-/LED: D2#8.2 U4#9.28
Board_1-/PORT+: J1#9.A6 J1#9.B6 J2#9.34 U1#5.1
Board_1-/PORT-: J1#9.A7 J1#9.B7 J2#9.33 U1#5.6
Board_1-/QSPI_CLK: U3#7.6 U4#9.52
Board_1-/QSPI_CS: R9.1 R11#5.2 U3#7.1 U4#9.56
Board_1-/QSPI_SD0: U3#7.5 U4#9.53
Board_1-/QSPI_SD1: U3#7.2 U4#9.55
Board_1-/QSPI_SD2: U3#7.3 U4#9.54
Board_1-/QSPI_SD3: U3#7.7 U4#9.51
Board_1-/RESET: J2#9.28 Q1#4.2 R1#8.2 SW1#7.2
Board_1-/RGB_5V: J2#9.32 U5#9.4
Board_1-/RGB_DO: U4#9.37 U5#9.3
Board_1-/RST: Q1#4.4 R3#9.2 U4#9.26
Board_1-/SWD_CLK: TP1.1 U4#9.24
Board_1-/SWD_IO: TP2#10.1 U4#9.25
Board_1-/USB+: R12.1 U1#5.3
Board_1-/USB-: R13#10.1 U1#5.4
Board_1-GND: C1#6.2 C2#4.2 C3#4.2 C4#10.2 C5#5.2 C6#9.2 C7#2.1 C8#9.1 C9#10.1 C10#10.1 C11#3.2 C12#2.2 C13#4.2 C14#7.2 C15.2 C16.2 C17#6.2 C18#7.2 C19#5.2 FB1#6.2 J1#9.A1 J1#9.A12 J1#9.B1 J1#9.B12 J2#9.4 J2#9.5 J2#9.29 Q1#4.1 Q1#4.3 Q2#10.4 R6#7.2 R7#8.1 R8#9.1 R10#3.2 R15#5.2 R17#10.2 SW1#7.1 U1#5.2 U2#7.2 U3#7.4 U3#7.9 U4#9.19 U4#9.57 U5#9.2 Y1.2 Y1.4
Board_1-Net-(C1-Pad1): C1#6.1 C2#4.1 Q2#10.5 R4#8.2 R5#5.1
Board_1-Net-(C7-Pad2): C7#2.2 U4#9.20 Y1.3
Board_1-Net-(C8-Pad2): C8#9.2 R14#10.1 Y1.1
Board_1-Net-(D1-Pad1): D1#6.1 R10#3.1
Board_1-Net-(D1-Pad2): D1#6.2 JP1#10.2
Board_1-Net-(D2-Pad1): D2#8.1 R15#5.1
Board_1-Net-(FB1-Pad1): FB1#6.1 J1#9.S1
Board_1-Net-(J1-PadA5): J1#9.A5 R7#8.2
Board_1-Net-(J1-PadB5): J1#9.B5 R8#9.2
Board_1-Net-(Q1-Pad5): Q1#4.5 Q1#4.6 Q2#10.2 Q2#10.6 R2#8.2
Board_1-Net-(Q2-Pad1): Q2#10.1 R4#8.1
Board_1-Net-(R5-Pad2): R5#5.2 R6#7.1
Board_1-Net-(R14-Pad2): R14#10.2 U4#9.21
Board_1-unconnected-(J1-PadA8): J1#9.A8
Board_1-unconnected-(J1-PadB8): J1#9.B8
Board_1-unconnected-(U2-Pad5): U2#7.5
Board_1-unconnected-(U4-Pad29): U4#9.29
Board_1-unconnected-(U4-Pad36): U4#9.36
Board_1-VBUS: F1#2.1 J1#9.A4 J1#9.A9 J1#9.B4 J1#9.B9 R16#2.1
Board_2-+1V1: C10#2.2 C17#2.1 C19#6.1 U4#6.23 U4#6.45 U4#6.50
Board_2-+3V3: C5#4.1 C6#10.1 C9#7.2 C11#10.1 C12#3.1 C13#3.1 C14#8.1 C15#7.1 C16#8.1 C18#4.1 J2#5.27 JP1#3.1 R1#3.1 R2#7.1 R3#2.1 R11#8.1 U2#8.1 U3#6.8 U4#6.1 U4#6.10 U4#6.22 U4#6.33 U4#6.42 U4#6.43 U4#6.44 U4#6.48 U4#6.49 U5#8.1 U5#8.5
Board_2-+5V: C3#2.1 C4#3.1 F1#7.2 J2#5.30 U1#2.5 U2#8.3 U2#8.4 U5#8.6
Board_2-/0_TX0: J2#5.2 U4#6.2
Board_2-/1_RX0: J2#5.3 U4#6.3
Board_2-/2_SDA1: J2#5.6 U4#6.4
Board_2-/3_SCL1: J2#5.7 U4#6.5
Board_2-/4: J2#5.8 U4#6.6
Board_2-/5: J2#5.9 U4#6.7
Board_2-/6: J2#5.10 U4#6.8
Board_2-/7: J2#5.11 U4#6.9
Board_2-/8: J2#5.12 U4#6.11
Board_2-/9: J2#5.13 U4#6.12
Board_2-/10: J2#5.1 U4#6.13
Board_2-/11: J2#5.31 U4#6.14
Board_2-/12: J2#5.14 U4#6.15
Board_2-/13: J2#5.15 U4#6.16
Board_2-/14: J2#5.16 U4#6.17
Board_2-/15: J2#5.17 U4#6.18
Board_2-/16: J2#5.18 U4#6.27
Board_2-/20_SDI: J2#5.21 U4#6.31
Board_2-/21_CS: J2#5.19 U4#6.32
Board_2-/22_SCK: J2#5.22 U4#6.34
Board_2-/23_SDO: J2#5.20 U4#6.35
Board_2-/A0: J2#5.23 U4#6.38
Board_2-/A1: J2#5.24 U4#6.39
Board_2-/A2: J2#5.25 U4#6.40
Board_2-/A3: J2#5.26 U4#6.41
Board_2-/BOOT: Q2#6.3 R9#5.2
Board_2-/D+: R12#5.2 U4#6.47
Board_2-/D-: R13#3.2 U4#6.46
Board_2-/LED: D2#4.2 U4#6.28
Board_2-/PORT+: J1.A6 J1.B6 J2#5.34 U1#2.1
Board_2-/PORT-: J1.A7 J1.B7 J2#5.33 U1#2.6
Board_2-/QSPI_CLK: U3#6.6 U4#6.52
Board_2-/QSPI_CS: R9#5.1 R11#8.2 U3#6.1 U4#6.56
Board_2-/QSPI_SD0: U3#6.5 U4#6.53
Board_2-/QSPI_SD1: U3#6.2 U4#6.55
Board_2-/QSPI_SD2: U3#6.3 U4#6.54
Board_2-/QSPI_SD3: U3#6.7 U4#6.51
Board_2-/RESET: J2#5.28 Q1#9.2 R1#3.2 SW1#6.2
Board_2-/RGB_5V: J2#5.32 U5#8.4
Board_2-/RGB_DO: U4#6.37 U5#8.3
Board_2-/RST: Q1#9.4 R3#2.2 U4#6.26
Board_2-/SWD_CLK: TP1#3.1 U4#6.24
Board_2-/SWD_IO: TP2#2.1 U4#6.25
Board_2-/USB+: R12#5.1 U1#2.3
Board_2-/USB-: R13#3.1 U1#2.4
Board_2-GND: C1#7.2 C2#2.2 C3#2.2 C4#3.2 C5#4.2 C6#10.2 C7#4.1 C8#6.1 C9#7.1 C10#2.1 C11#10.2 C12#3.2 C13#3.2 C14#8.2 C15#7.2 C16#8.2 C17#2.2 C18#4.2 C19#6.2 FB1#5.2 J1.A1 J1.A12 J1.B1 J1.B12 J2#5.4 J2#5.5 J2#5.29 Q1#9.1 Q1#9.3 Q2#6.4 R6#8.2 R7#9.1 R8#7.1 R10#4.2 R15#9.2 R17#5.2 SW1#6.1 U1#2.2 U2#8.2 U3#6.4 U3#6.9 U4#6.19 U4#6.57 U5#8.2 Y1#10.2 Y1#10.4
Board_2-Net-(C1-Pad1): C1#7.1 C2#2.1 Q2#6.5 R4#4.2 R5#6.1
Board_2-Net-(C7-Pad2): C7#4.2 U4#6.20 Y1#10.3
Board_2-Net-(C8-Pad2): C8#6.2 R14#3.1 Y1#10.1
Board_2-Net-(D1-Pad1): D1#7.1 R10#4.1
Board_2-Net-(D1-Pad2): D1#7.2 JP1#3.2
Board_2-Net-(D2-Pad1): D2#4.1 R15#9.1
Board_2-Net-(FB1-Pad1): FB1#5.1 J1.S1
Board_2-Net-(J1-PadA5): J1.A5 R7#9.2
Board_2-Net-(J1-PadB5): J1.B5 R8#7.2
Board_2-Net-(Q1-Pad5): Q1#9.5 Q1#9.6 Q2#6.2 Q2#6.6 R2#7.2
Board_2-Net-(Q2-Pad1): Q2#6.1 R4#4.1
Board_2-Net-(R5-Pad2): R5#6.2 R6#8.1
Board_2-Net-(R14-Pad2): R14#3.2 U4#6.21
Board_2-unconnected-(J1-PadA8): J1.A8
Board_2-unconnected-(J1-PadB8): J1.B8
Board_2-unconnected-(U2-Pad5): U2#8.5
Board_2-unconnected-(U4-Pad29): U4#6.29
Board_2-unconnected-(U4-Pad36): U4#6.36
